# Altium PCB jetson-nano-0928-12.PcbDoc (part 1 of 6) (continued)
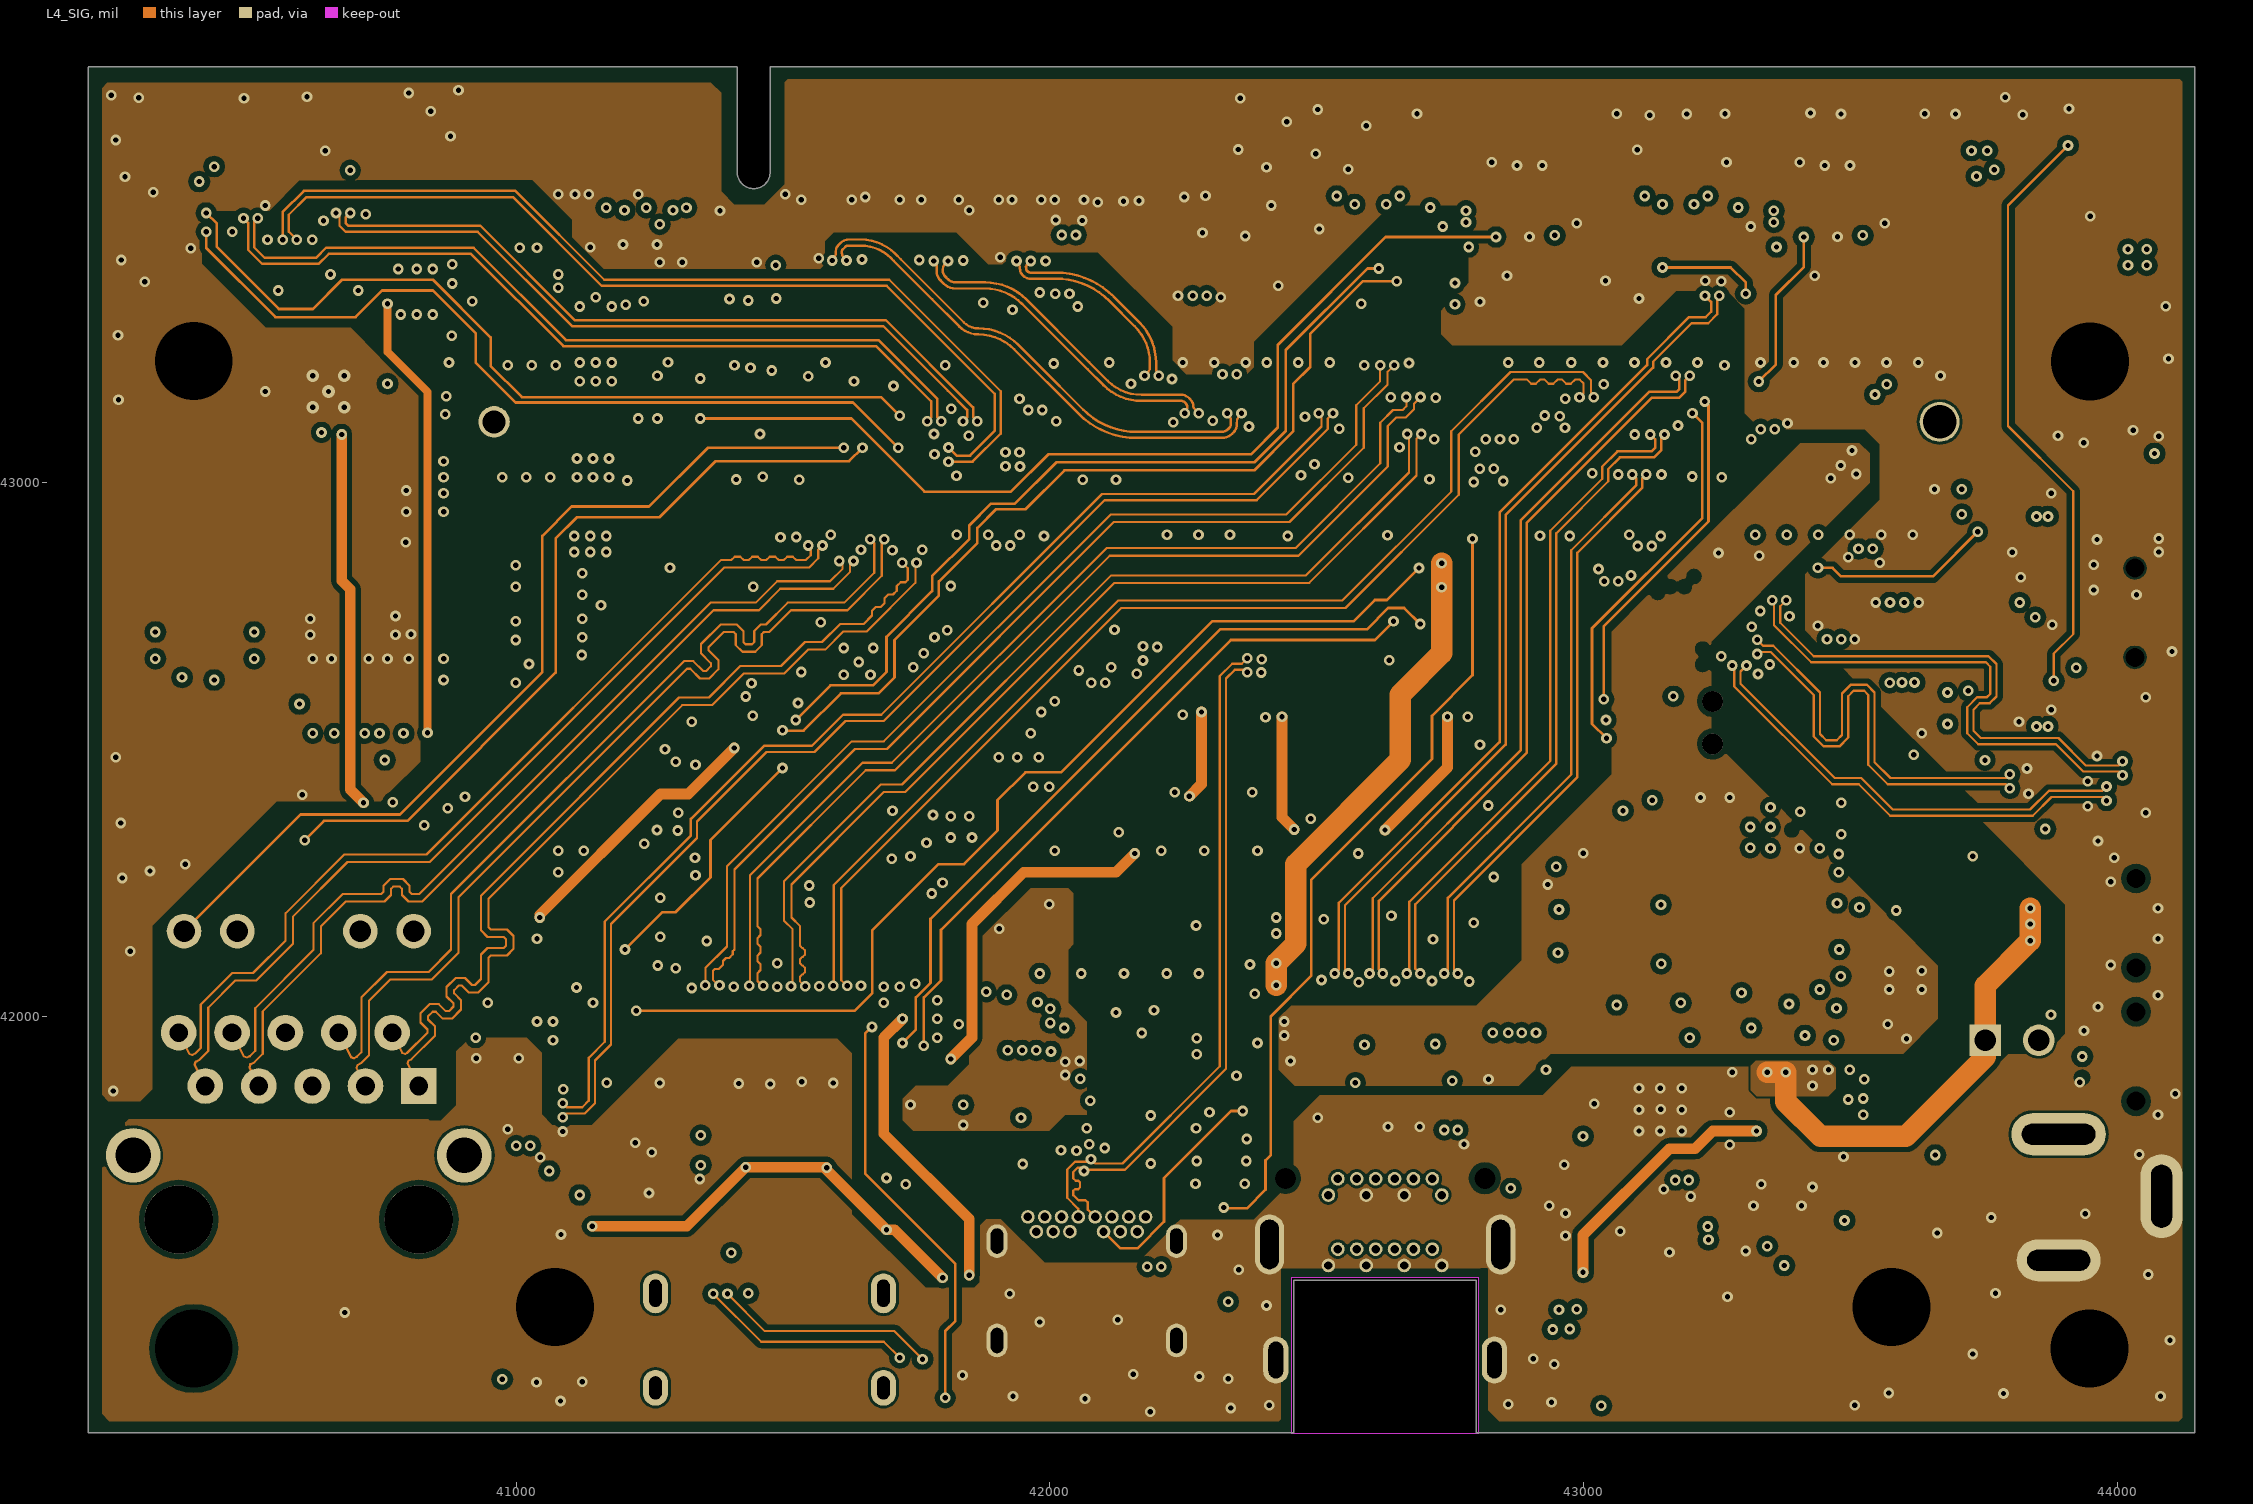
[diagram p4: L4_SIG]
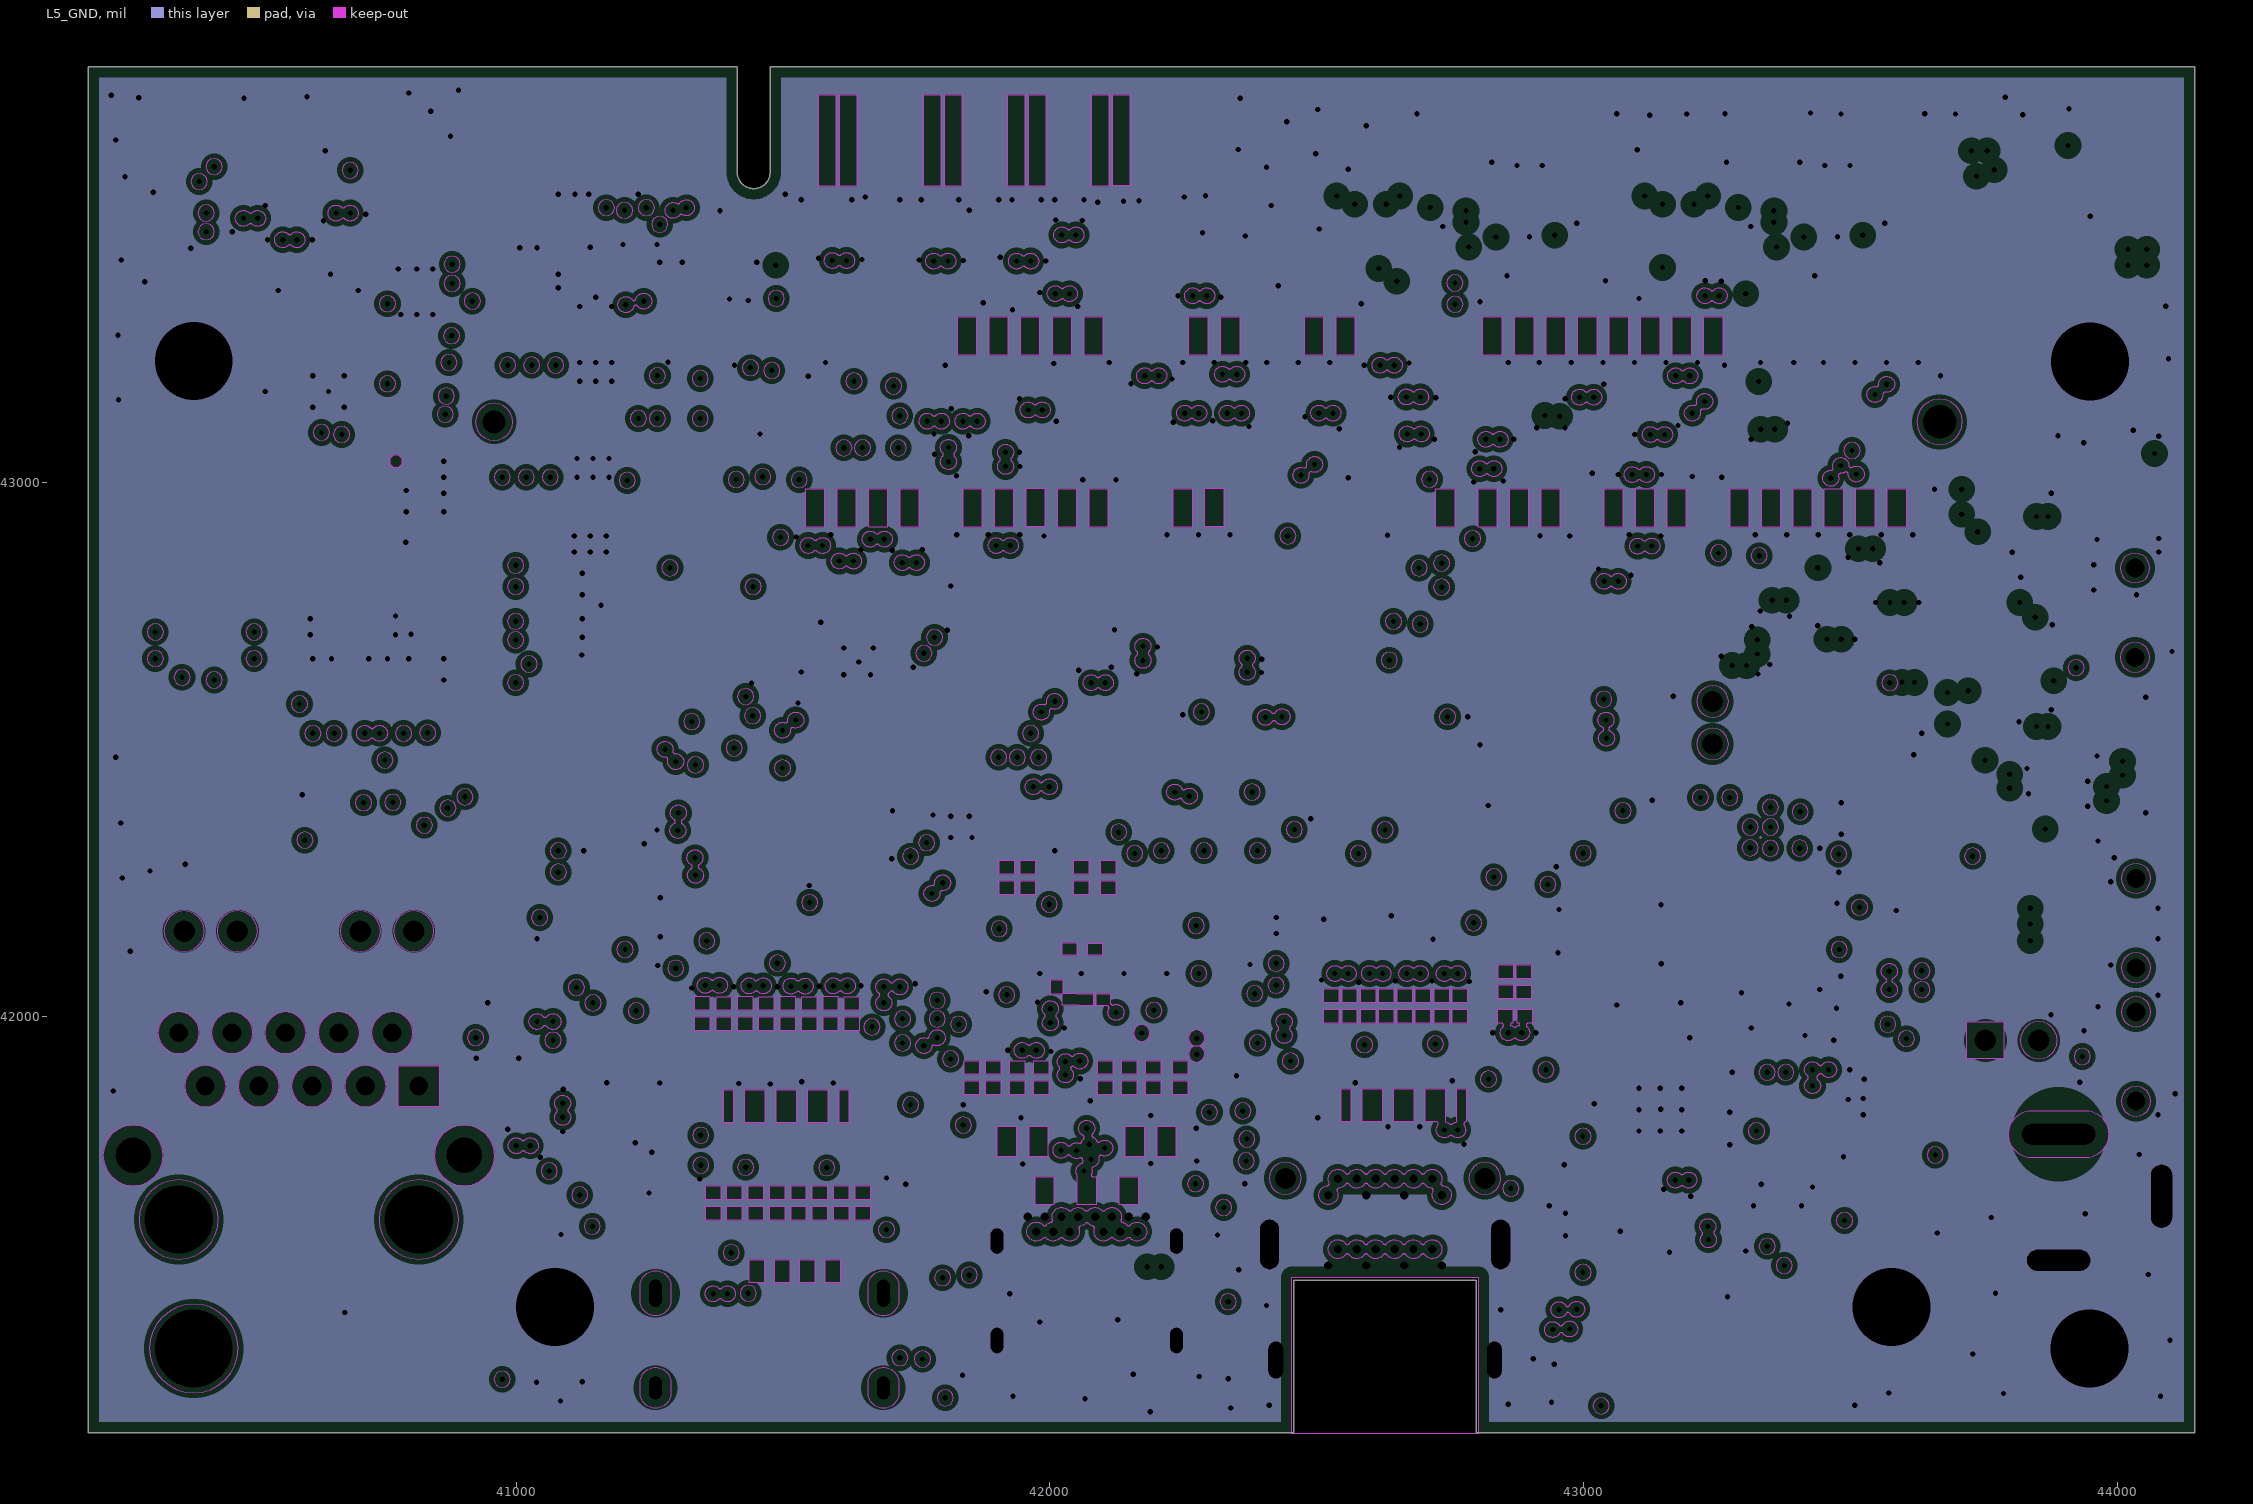
[diagram p5: L5_GND, clearances drawn from the general rule]
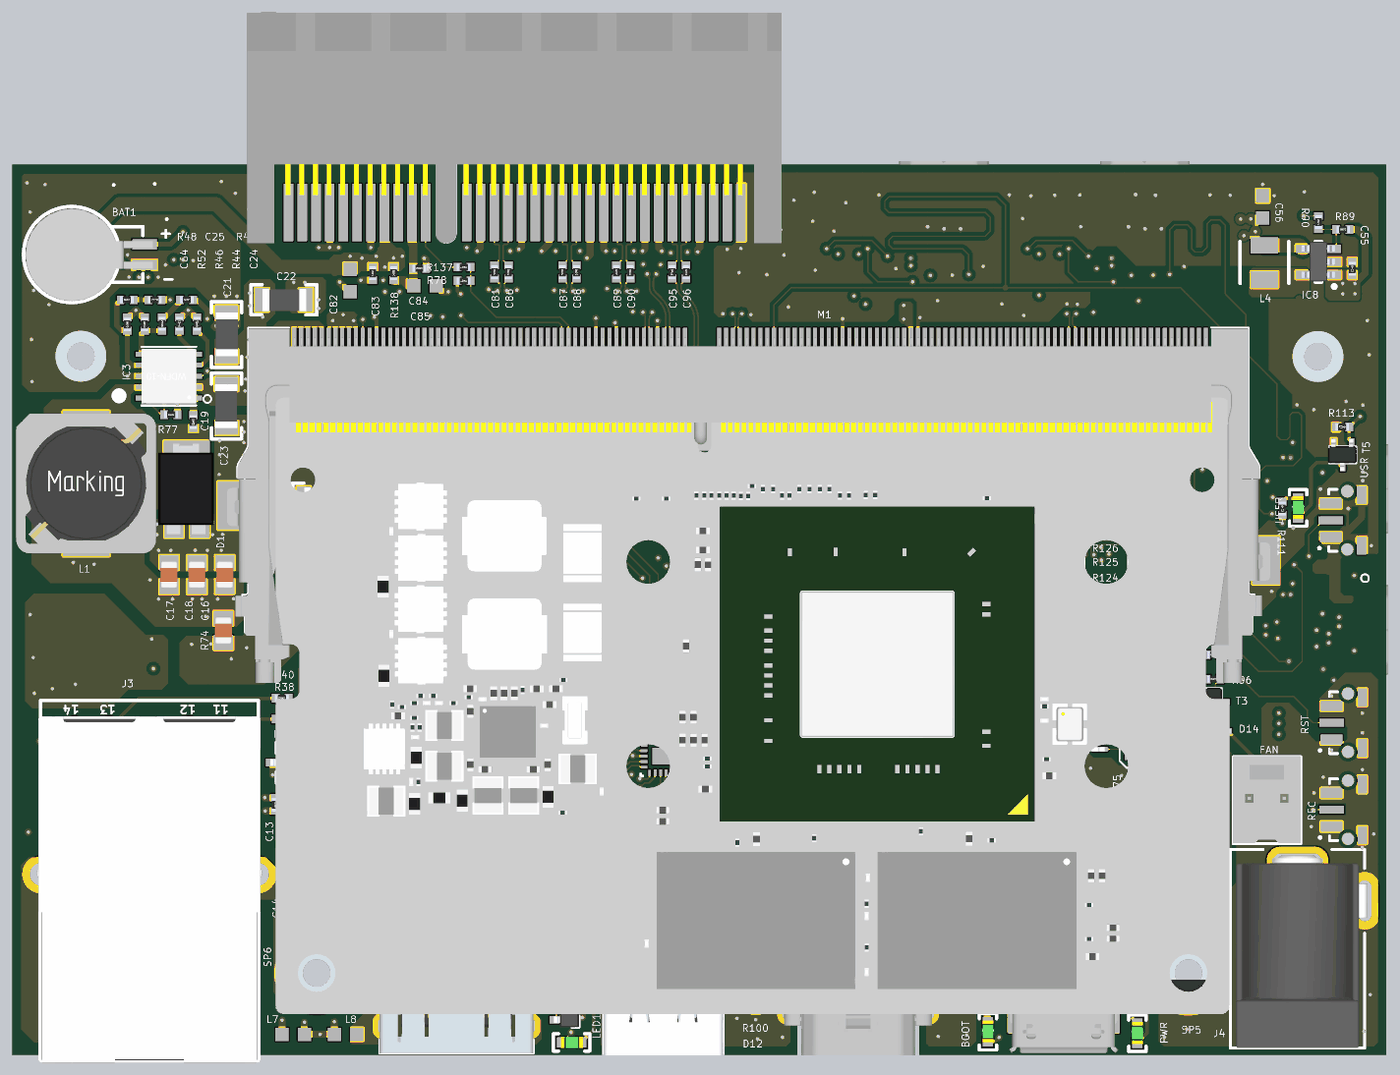
[diagram p11: 3D render of the assembled board from above, using the file's embedded part models]
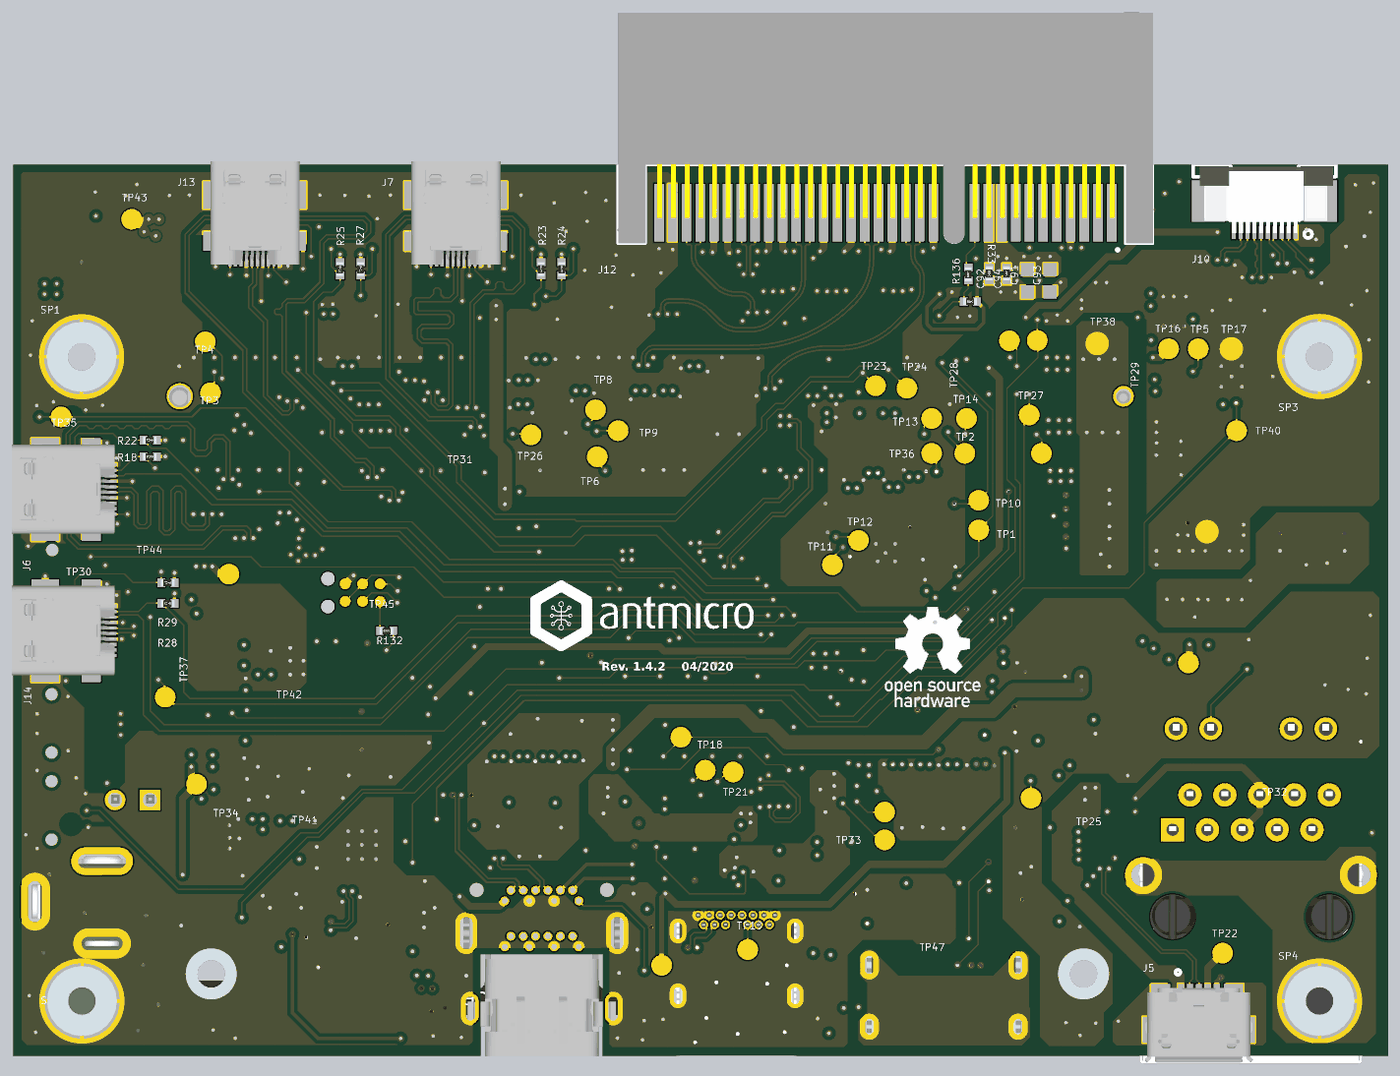
[diagram p12: 3D render of the assembled board from below, using the file's embedded part models]

## Layer stack, top to bottom
TOP: signal copper 1.2
Dielectric: core 8, FR-4, Dk 4.5
L2_GND: plane copper 1.2, net GND
Dielectric: prepreg 8, FR-4, Dk 4.5
L3_PWR: plane copper 1.2, net (Multiple Nets)
Dielectric: core 8, FR-4, Dk 4.5
L4_SIG: signal copper 1.2
Dielectric: prepreg 8, FR-4, Dk 4.5
L5_GND: plane copper 1.2, net GND
Dielectric: core 8, FR-4, Dk 4.5
BOTTOM: signal copper 1.2

## Board outline
40198.29,41220.48 40198.79,41219.98 42456.41,41219.98 42456.91,41220.48 42456.91,41505.41 42798.43,41505.41 42798.43,41220.48 42798.93,41219.98 44144.68,41219.98 44145.18,41220.48 44145.18,43779.06 44144.68,43779.56 41476.34,43779.56 41475.84,43779.06 41475.84,43582.2 cw(c41444.85,43582.2) 41444.85,43551.21 cw(c41444.85,43582.21) 41413.85,43582.21 41413.85,43779.06 41413.35,43779.56 40198.79,43779.56 40198.29,43779.06

## Design rules (kind name [scope] priority, off if disabled: settings)
Clearance Clearance_poly_via [Inpoly vs Isvia] p1: gap=10
Clearance Clearance_poly_track [Inpoly vs Istrack] p2: gap=10
Clearance Clearance_1 [All] p3: gap=4
ComponentClearance [All] p1: gap=0 collisioncheckmode=3 verticalgap=0 showdistances=FALSE
DiffPairsRouting [All] p1: maxlimit=10 minlimit=10 mostfreqgap=10 maxuncoupledlength=500
HoleSize [All] p1: absolutevalues=TRUE maxlimit=150 minlimit=0 maxpercent=80.000 minpercent=20.000
MinimumSolderMaskSliver [All] p1: minsoldermaskwidth=0
PlaneClearance [OnLayer('Keep-Out Layer')] p1: clearance=10
PlaneClearance PlaneClearance_1 [All] p2: clearance=20
PlaneConnect [All] p1: planeconnectstyle=Direct reliefexpansion=20 reliefentries=4 reliefconductorwidth=10 reliefairgap=10
PolygonConnect [All] p1: connectstyle=Direct reliefconductorwidth=10 reliefentries=4 polygonreliefangle="90 Angle"
RoutingCorners [All] p1: cornerstyle=45-Degree minsetback=10 maxsetback=100
RoutingVias [All] p1: holewidth=25 width=50 viastyle="Through Hole" minholewidth=10 minwidth=20 maxholewidth=25 maxwidth=50
SilkToSilkClearance [All] p1: silktosilkclearance=0
SilkscreenOverComponentPads SilkToSolderMaskClearance [IsPad] p1: minsilkscreentomaskgap=0
SolderMaskExpansion [All] p1: expansion=4
Width [All] p1: maxlimit=40 minlimit=4 preferedwidth=10
19 further rules are at their usual default settings.

## Classes and differential pairs
component class U_csi: C9 IC1 J6 J7 J13 J14 R13 R15 R17 R18 R19 R21 R22 R23 R24 R25 R27 R28 R29 R34 R35 R39 R57 R58 R59 R60 R61 TP1 TP3 TP4 TP6 TP8 TP9 TP10 TP11 TP12
component class U_display: C1 C2 C3 C4 C5 C6 C7 C8 C12 C26 C27 C39 C40 C42 C43 C44 C45 C73 C74 C75 C76 C77 C78 C79 C80 D2 D4 D10 D11 D12 IC2 IC6 IC11 IC18 J1 J2 L8 L9 L10 R1 R2 R3 R4 R5 R6 R7 R8 R9 R10 R11 R12 R26 R30 R31 R32 R37 R81 R82 R83 R88 R98 R99 R100 T1 TP2 TP13 TP14 TP25 TP26 TP33 TP34
component class U_ID-Serial: C20 C36 D15 IC14 IC17 R117 R118 R119 R120 R121 R122 R123 R124 R125 R126 R127 R129 R132 TP30
component class U_interfaces: C13 C14 C46 C47 C81 C82 C83 C84 C85 C86 C87 C88 C89 C90 C91 C92 C93 C94 C95 C96 J3 J12 R33 R38 R40 R78 R136 R137 R138
component class U_SoM: BAT1 BOOT C10 C11 F1 J10 M1 M2 PWR R14 R97 R111 R112 R113 R133 REC RST SP1 SP2 SP3 SP4 SP5 SP6 T2 T4 T5 TP23 TP24 TP27 TP28 TP29 TP31 TP35 TP36 TP37 TP38 TP39 USER USR
component class U_supply: C16 C17 C18 C19 C21 C22 C23 C24 C25 C28 C41 C55 C56 C57 C58 C59 C60 C61 C63 C64 C65 C71 D1 D13 D14 FAN IC3 IC4 IC8 IC9 IC10 IC12 IC13 J4 L1 L4 L5 L6 R16 R36 R44 R45 R46 R48 R52 R74 R75 R76 R77 R84 R85 R86 R87 R89 R90 R91 R92 R93 R94 R95 R96 R130 R134 R135 T3 TP5 TP16 TP17 TP40 TP41 TP42 TP43 TP44 TP45 TP47
component class U_usb-debug: C15 C29 C30 C31 C32 C33 C34 C35 C48 C50 C53 C54 C62 C66 C67 C72 D3 D5 D6 D7 D8 D9 D17 IC5 IC7 IC15 IC16 J5 J9 J11 L2 L3 L7 LED1 Q1 Q2 R20 R41 R42 R43 R47 R49 R50 R51 R53 R54 R55 R56 R62 R63 R64 R65 R66 R67 R68 R69 R70 R71 R72 R73 R101 R102 R103 R104 R105 R106 R107 R108 R109 R110 R131 TP18 TP19 TP21 TP22 TP32
net class Z_85: D_PCIE0_TX0_N D_PCIE0_TX0_P D_PCIE0_TX1_N D_PCIE0_TX1_P D_PCIE0_TX2_N D_PCIE0_TX2_P D_PCIE0_TX3_N D_PCIE0_TX3_P PCIE0_CLK_N PCIE0_CLK_P PCIE0_RX0_N PCIE0_RX0_P PCIE0_RX1_N PCIE0_RX1_P PCIE0_RX2_N PCIE0_RX2_P PCIE0_RX3_N PCIE0_RX3_P PCIE0_TX0_N PCIE0_TX0_P PCIE0_TX1_N PCIE0_TX1_P PCIE0_TX2_N PCIE0_TX2_P PCIE0_TX3_N PCIE0_TX3_P PCIE1_CLK_N PCIE1_CLK_P PCIE1_RX0_N PCIE1_RX0_P PCIE1_TX0_N PCIE1_TX0_P
net class Z_90: C_USBSS_RX1_N C_USBSS_RX1_P C_USBSS_RX2_N C_USBSS_RX2_P C_USBSS_RX6_N C_USBSS_RX6_P C_USBSS_TX1_N C_USBSS_TX1_P C_USBSS_TX2_N C_USBSS_TX2_P C_USBSS_TX6_N C_USBSS_TX6_P DBG_USB_D_N DBG_USB_D_P OTG_USB_D_N OTG_USB_D_P USB1_D_N USB1_D_P USB2_D_N USB2_D_P USBSS_RX1_N USBSS_RX1_P USBSS_RX2_N USBSS_RX2_P USBSS_RX6_N USBSS_RX6_P USBSS_TX1_N USBSS_TX1_P USBSS_TX2_N USBSS_TX2_P USBSS_TX6_N USBSS_TX6_P
net class Z_95: CSI_G_CLK_N CSI_G_CLK_P CSI_G_D0_N CSI_G_D0_P CSI_G_D1_N CSI_G_D1_P
net class Z_100: EDP0_TX_N EDP0_TX_P EDP1_TX_N EDP1_TX_P EDP2_TX_N EDP2_TX_P EDP3_TX_N EDP3_TX_P EDP_AUX_C_N EDP_AUX_C_P EDP_AUX_N EDP_AUX_P ENET_TRD0_N ENET_TRD0_P ENET_TRD1_N ENET_TRD1_P ENET_TRD2_N ENET_TRD2_P ENET_TRD3_N ENET_TRD3_P ML_C_LANE0_N ML_C_LANE0_P ML_C_LANE1_N ML_C_LANE1_P ML_C_LANE2_N ML_C_LANE2_P ML_C_LANE3_N ML_C_LANE3_P TMDS_C1_CLK_N TMDS_C1_CLK_P TMDS_C1_D0_N TMDS_C1_D0_P TMDS_C1_D1_N TMDS_C1_D1_P TMDS_C1_D2_N TMDS_C1_D2_P TMDS_CLK_C_N TMDS_CLK_C_P TMDS_CLK_N TMDS_CLK_P TMDS_D0_C_N TMDS_D0_C_P TMDS_D0_N TMDS_D0_P TMDS_D1_C_N TMDS_D1_C_P TMDS_D1_N TMDS_D1_P TMDS_D2_C_N TMDS_D2_C_P TMDS_D2_N TMDS_D2_P
differential pair C_USBSS_RX1: +C_USBSS_RX1_P -C_USBSS_RX1_N
differential pair C_USBSS_RX2: +C_USBSS_RX2_P -C_USBSS_RX2_N
differential pair C_USBSS_RX6: +C_USBSS_RX6_P -C_USBSS_RX6_N
differential pair C_USBSS_TX1: +C_USBSS_TX1_P -C_USBSS_TX1_N
differential pair C_USBSS_TX2: +C_USBSS_TX2_P -C_USBSS_TX2_N
differential pair C_USBSS_TX6: +C_USBSS_TX6_P -C_USBSS_TX6_N
differential pair CSI_G_CLK: +CSI_G_CLK_P -CSI_G_CLK_N
differential pair CSI_G_D0: +CSI_G_D0_P -CSI_G_D0_N
differential pair CSI_G_D1: +CSI_G_D1_P -CSI_G_D1_N
differential pair D_PCIE0_TX0: +D_PCIE0_TX0_P -D_PCIE0_TX0_N
differential pair D_PCIE0_TX1: +D_PCIE0_TX1_P -D_PCIE0_TX1_N
differential pair D_PCIE0_TX2: +D_PCIE0_TX2_P -D_PCIE0_TX2_N
differential pair D_PCIE0_TX3: +D_PCIE0_TX3_P -D_PCIE0_TX3_N
differential pair DBG_USB_D: +DBG_USB_D_P -DBG_USB_D_N
differential pair EDP0_TX: +EDP0_TX_P -EDP0_TX_N
differential pair EDP1_TX: +EDP1_TX_P -EDP1_TX_N
differential pair EDP2_TX: +EDP2_TX_P -EDP2_TX_N
differential pair EDP3_TX: +EDP3_TX_P -EDP3_TX_N
differential pair EDP_AUX_C: +EDP_AUX_C_P -EDP_AUX_C_N
differential pair EDP_AUX: +EDP_AUX_P -EDP_AUX_N
differential pair ENET_TRD0: +ENET_TRD0_P -ENET_TRD0_N
differential pair ENET_TRD1: +ENET_TRD1_P -ENET_TRD1_N
differential pair ENET_TRD2: +ENET_TRD2_P -ENET_TRD2_N
differential pair ENET_TRD3: +ENET_TRD3_P -ENET_TRD3_N
differential pair ML_C_LANE0: +ML_C_LANE0_P -ML_C_LANE0_N
differential pair ML_C_LANE1: +ML_C_LANE1_P -ML_C_LANE1_N
differential pair ML_C_LANE2: +ML_C_LANE2_P -ML_C_LANE2_N
differential pair ML_C_LANE3: +ML_C_LANE3_P -ML_C_LANE3_N
differential pair OTG_USB_D: +OTG_USB_D_P -OTG_USB_D_N
differential pair PCIE0_CLK: +PCIE0_CLK_P -PCIE0_CLK_N
differential pair PCIE0_RX0: +PCIE0_RX0_P -PCIE0_RX0_N
differential pair PCIE0_RX1: +PCIE0_RX1_P -PCIE0_RX1_N
differential pair PCIE0_RX2: +PCIE0_RX2_P -PCIE0_RX2_N
differential pair PCIE0_RX3: +PCIE0_RX3_P -PCIE0_RX3_N
differential pair PCIE0_TX0: +PCIE0_TX0_P -PCIE0_TX0_N
differential pair PCIE0_TX1: +PCIE0_TX1_P -PCIE0_TX1_N
differential pair PCIE0_TX2: +PCIE0_TX2_P -PCIE0_TX2_N
differential pair PCIE0_TX3: +PCIE0_TX3_P -PCIE0_TX3_N
differential pair PCIE1_CLK: +PCIE1_CLK_P -PCIE1_CLK_N
differential pair PCIE1_RX0: +PCIE1_RX0_P -PCIE1_RX0_N
differential pair PCIE1_TX0: +PCIE1_TX0_P -PCIE1_TX0_N
differential pair TMDS_C1_CLK: +TMDS_C1_CLK_P -TMDS_C1_CLK_N
differential pair TMDS_C1_D0: +TMDS_C1_D0_P -TMDS_C1_D0_N
differential pair TMDS_C1_D1: +TMDS_C1_D1_P -TMDS_C1_D1_N
differential pair TMDS_C1_D2: +TMDS_C1_D2_P -TMDS_C1_D2_N
differential pair TMDS_CLK_C: +TMDS_CLK_C_P -TMDS_CLK_C_N
differential pair TMDS_CLK: +TMDS_CLK_P -TMDS_CLK_N
differential pair TMDS_D0_C: +TMDS_D0_C_P -TMDS_D0_C_N
differential pair TMDS_D0: +TMDS_D0_P -TMDS_D0_N
differential pair TMDS_D1_C: +TMDS_D1_C_P -TMDS_D1_C_N
differential pair TMDS_D1: +TMDS_D1_P -TMDS_D1_N
differential pair TMDS_D2_C: +TMDS_D2_C_P -TMDS_D2_C_N
differential pair TMDS_D2: +TMDS_D2_P -TMDS_D2_N
differential pair USB1_D: +USB1_D_P -USB1_D_N
differential pair USB2_D: +USB2_D_P -USB2_D_N
differential pair USBSS_RX1: +USBSS_RX1_P -USBSS_RX1_N
differential pair USBSS_RX2: +USBSS_RX2_P -USBSS_RX2_N
differential pair USBSS_RX6: +USBSS_RX6_P -USBSS_RX6_N
differential pair USBSS_TX1: +USBSS_TX1_P -USBSS_TX1_N
differential pair USBSS_TX2: +USBSS_TX2_P -USBSS_TX2_N
differential pair USBSS_TX6: +USBSS_TX6_P -USBSS_TX6_N

## Components (designator, comment, footprint, x,y, rotation, side; value= is the part's Value field where it differs from the comment)
BAT1 "MS621FE-FL11E" MS621FE-FL11E 40578.82,43520.47 r90 top
BOOT "KPT-1608SGC" LED0603 43000.96,41286.77 r270 top
C1 "4u7" 0402 41278.82,41650.47 r270 top
C2 "4u7" 0402 41323.82,41650.47 r270 top
C3 "4u7" 0402 42916.68,41677.47 r180 top
C4 "4u7" 0402 42916.68,41722.47 r180 top
C5 "100n" 0402 42321.68,41686.47 r180 top
C6 "100n" 0402 42664.69,42019.73 r270 top
C7 "100n" 0402 42698.74,42019.73 r270 top
C8 "100n" 0402 42733.97,42019.73 r270 top
C9 "100n" 0402 41478.82,42650.47 r0 top
C10 "100u" 1206 41098.81,42820.47 r180 top
C11 "100u" 1206 41098.82,42720.47 r180 top
C12 "100n" 0402 42767.78,42019.73 r270 top
C13 "10n" 0402 40953.82,41940.47 r270 top
C14 "100p" 0805 41013.82,41655.47 r270 top
C15 "47p" 0402 43268.81,41530.47 r180 top
C16 "47u" 0805 40808.82,42600.46 r270 top
C17 "47u" 0805 40648.83,42600.47 r270 top
C18 "47u" 0805 40728.82,42600.47 r270 top
C19 "100n" 0402 40718.82,43040.47 r270 top
C20 "100n" 0402 43423.82,42285.47 r180 top
C21 "2u2" 1206 40813.82,43290.46 r270 top
C22 "2u2" 1206 40978.83,43390.47 r180 top
C23 "2u2" 1206 40813.82,43085.47 r90 top
C24 "10n" 0402 40728.82,43320.47 r90 top
C25 "4n7" 0402 40608.82,43390.47 r180 top
C26 "100n" 0402 41808.82,41815.47 r90 top
C27 "100n" 0402 41693.82,41650.47 r270 top
C28 "1u" 0402 41283.82,42120.47 r0 top
C29 "47p" 0402 43183.83,41530.47 r0 top
C30 "100n" 0402 43313.82,41715.47 r180 top
C31 "100u" 1206 41833.82,42235.47 r270 top
C32 "1u" 0402 41723.83,42325.47 r0 top
C33 "100n" 0402 42008.82,42260.48 r90 top
C34 "47u" 0805 42348.82,42170.47 r180 top
C35 "10u" 0603 42038.81,41816.48 r270 top
C36 "100n" 0402 42998.83,42265.47 r0 top
C39 "100n" 0402 42527.47,42019.73 r270 top
C40 "100n" 0402 42559.87,42019.73 r270 top
C41 "47n" 0402 42333.82,42530.47 r0 top
C42 "100n" 0402 42596.11,42019.73 r270 top
C43 "100n" 0402 42629.68,42019.73 r270 top
C44 "100n" 0402 42854.19,42065.05 r270 top
C45 "100n" 0402 42887.82,42064.87 r270 top
C46 "100n" 0402 43528.82,42075.47 r0 top
C47 "10u" 0603 43538.83,42015.47 r0 top
C48 "100n" 0402 41983.82,41885.47 r90 top
C50 "100n" 0402 41938.82,41885.47 r90 top
C53 "100n" 0402 42195,41885 r90 top
C54 "100n" 0402 42240,41885 r90 top
C55 "4u7" 0402 44047.26,43480.48 r270 top
C56 "10u" 0603 43790.12,43657.48 r270 top
C57 "4u7" 0402 43463.82,42370.47 r180 top
C58 "10u" 0603 43603.82,42560.47 r90 top
C59 "2u2" 0402 43478.82,41870.47 r180 top
C60 "10u" 0603 43538.82,41955.47 r0 top
C61 "100p" 0402 43498.82,41685.47 r270 top
C62 "4u7" 0402 41023.82,41955.47 r0 top
C63 "10u" 0603 42773.82,42475.47 r180 top
C64 "47p" 0402 40528.82,43320.46 r270 top
C65 "2u2" 0402 41283.82,42320.47 r0 top
C66 "1u" 0402 42993.82,41650.47 r90 top
C67 "2u2" 0402 42993.82,41570.46 r270 top
C71 "100n" 0402 42763.82,42535.47 r180 top
C72 "100n" 0402 43297.68,41778.47 r90 top
C73 "100n" 0402 41628.82,42005.47 r270 top
C74 "100n" 0402 41588.82,42005.47 r270 top
C75 "100n" 0402 41548.82,42005.47 r270 top
C76 "100n" 0402 41468.82,42005.47 r270 top
C77 "100n" 0402 41508.82,42005.48 r270 top
C78 "100n" 0402 41388.82,42005.47 r270 top
C79 "100n" 0402 41428.82,42005.47 r270 top
C80 "100n" 0402 41348.82,42005.48 r270 top
C81 "100n" 0402 41583.82,43470.47 r270 top
C82 "10u" 0603 41168.82,43445.47 r90 top
C83 "100n" 0402 41233.82,43465.47 r90 top
C84 "100n" 0402 41368.82,43480.47 r180 top
C85 "10u" 0603 41383.82,43430.48 r180 top
C86 "100n" 0402 41623.82,43470.47 r270 top
C87 "100n" 0402 41778.81,43470.47 r270 top
C88 "100n" 0402 41818.82,43470.48 r270 top
C89 "100n" 0402 41933.81,43470.47 r270 top